# Allegro board SDHCalFEB.brd (continued)
## Routing (per net, layer and track width the routed paths; a pad name or vN(x,y) marks a point on that pad's centre or on a via; arc(x,y) is an arc through that point) (continued)
296.85,342.09 ; v2(296.42,342.09) 296.42,341.65 ; J45.3 260.73,254.93 ; J45.3 259.6,253.8 ; J45.3 258.47,254.93 ; J45.3 259.6,256.06 ; v2(332.33,200.56) 332.33,200.99 ; v2(332.33,200.56) 332.77,200.56 ; v2(332.33,200.56) 332.33,200.13 ; v2(332.33,200.56) 331.9,200.56 ; v2(262.69,29.18) 262.69,29.62 ; v2(262.69,29.18) 262.69,28.75 ; v2(262.69,29.18) 262.25,29.18 ; v2(262.69,29.18) 263.12,29.18 ; 100.67,263.25 R1636.1 100.67,262.08 ; 97.94,21.39 v1(98.37,21.39) ; v1(98.37,21.39) 98.81,21.39 ; v1(98.37,21.39) 98.37,21.82 ; v1(98.37,21.39) 98.37,20.95 ; 27.18,100.1 v2(27.61,100.1) ; v2(27.61,100.1) 27.61,100.53 ; v2(27.61,100.1) 28.04,100.1 ; v2(27.61,100.1) 27.61,99.67 ; 77.87,119.19 R2043.1 ; 175.95,195.73 v2(175.95,196.16) ; v2(175.95,196.16) 175.95,196.6 ; v2(175.95,196.16) 176.38,196.16 ; v2(175.95,196.16) 175.51,196.16 ; 110.44,338.1 v2(110.44,338.53) ; v2(110.44,338.53) 110.44,338.96 ; v2(110.44,338.53) 110.87,338.53 ; v2(110.44,338.53) 110.01,338.53 ; J11.3 259.85,244.77 ; J11.3 257.59,244.77 ; J11.3 258.72,243.64 ; J11.3 258.72,245.9 ; 92.94,117.93 v2(93.37,117.93) ; v2(93.37,117.93) 93.8,117.93 ; v2(93.37,117.93) 93.37,117.5 ; v2(93.37,117.93) 93.37,118.36 ; 266.17,179.2 v2(266.6,179.2) ; v2(266.6,179.2) 266.6,179.63 ; v2(266.6,179.2) 266.6,178.76 ; v2(266.6,179.2) 267.03,179.2 ; J33.B13 v1(391.79,113.92) ; U404.1 105.91,253.85 ; 75.87,117.16 C1043.2 ; C1043.2 74.55,118.36 ; C1043.2 77.19,118.36 ; 273.53,182.73 v2(273.96,182.73) ; v2(273.96,182.73) 273.96,183.16 ; v2(273.96,182.73) 274.4,182.73 ; v2(273.96,182.73) 273.96,182.3 ; J15.3 99.88,244.87 ; J15.3 97.62,244.87 ; J15.3 98.75,243.74 ; J15.3 98.75,246 ; J62.5 105.31,260.06 ; J62.5 104.18,258.93 ; J62.5 103.05,260.06 ; J62.5 104.18,261.19 ; 173.71,173.3 R1934.1 173.71,172.14 ; v2(27.61,98.73) 27.61,99.16 ; v2(27.61,98.73) 27.61,98.3 ; v2(27.61,98.73) 27.18,98.73 ; v2(27.61,98.73) 28.04,98.73 ; 100.36,322.63 v2(100.36,322.2) 99.92,322.2 ; v2(339.37,243.08) 339.8,243.08 ; v2(339.37,243.08) 338.94,243.08 ; v2(339.37,243.08) 339.37,242.65 ; v2(339.37,243.08) 339.37,243.51 ; 87.46,279.46 J8.5 ; J8.5 88.59,278.33 ; J8.5 89.72,279.46 ; J8.5 88.59,280.59 ; v2(337.62,83.03) 337.62,83.46 ; v2(337.62,83.03) 337.62,82.6 ; v2(337.62,83.03) 337.18,83.03 ; v2(337.62,83.03) 338.05,83.03 ; v2(313.92,117.88) 314.35,117.88 ; v2(313.92,117.88) 313.49,117.88 ; v2(313.92,117.88) 313.92,117.45 ; v2(313.92,117.88) 313.92,118.31 ; v2(176.12,91.06) 176.56,91.06 ; v2(176.12,91.06) 176.12,91.49 ; v2(176.12,91.06) 175.69,91.06 ; v2(176.12,91.06) 176.12,90.63 ; v1(100.56,20.35) 100.56,20.78 ; v1(100.56,20.35) 100.13,20.35 ; v1(100.56,20.35) 100.56,19.91 ; v1(100.56,20.35) 100.99,20.35 ; J35.A36 v1(394.88,270.64) ; 99.49,331.72 v2(99.92,331.72) 99.92,331.29 ; v2(238.33,276.61) 238.33,277.04 ; v2(238.33,276.61) 238.76,276.61 ; v2(238.33,276.61) 238.33,276.17 ; v2(238.33,276.61) 237.9,276.61 ; 332.82,193.6 v2(333.25,193.6) ; v2(333.25,193.6) 333.25,193.17 ; v2(333.25,193.6) 333.25,194.03 ; v2(333.25,193.6) 333.68,193.6 ; J34.A40 v1(394.88,211.97) ; 110.13,180.64 v2(110.57,180.64) ; v2(110.57,180.64) 111,180.64 ; v2(110.57,180.64) 110.57,181.08 ; v2(110.57,180.64) 110.57,180.21 ; v2(102.44,29.13) 102.44,29.57 ; v2(102.44,29.13) 102.87,29.13 ; v2(102.44,29.13) 102.01,29.13 ; v2(102.44,29.13) 102.44,28.7 ; v2(331.32,280.31) 331.76,280.31 ; v2(331.32,280.31) 331.32,279.88 ; v2(331.32,280.31) 330.89,280.31 ; 174.5,330.96 v2(174.5,331.39) ; v2(174.5,331.39) 174.93,331.39 ; v2(174.5,331.39) 174.07,331.39 ; v2(174.5,331.39) 174.5,331.83 ; 178.8,329.5 J5.2 ; J5.2 179.93,330.63 ; J5.2 179.93,328.37 ; J5.2 181.06,329.5 ; U65.101 v2(313.41,298.17) ; v2(257.12,180.77) 257.12,181.2 ; v2(257.12,180.77) 257.56,180.77 ; v2(257.12,180.77) 256.69,180.77 ; v2(257.12,180.77) 257.12,180.34 ; v2(28.57,37.9) 29.01,37.9 ; v2(28.57,37.9) 28.57,38.33 ; v2(28.57,37.9) 28.14,37.9 ; v2(28.57,37.9) 28.57,37.46 ; 110.72,337.59 v2(111.15,337.59) ; v2(111.15,337.59) 111.15,338.02 ; v2(111.15,337.59) 111.58,337.59 ; v2(111.15,337.59) 111.15,337.16 ; 42.55,339.8 v2(42.55,340.23) ; v2(42.55,340.23) 42.11,340.23 ; v2(42.55,340.23) 42.98,340.23 ; v2(42.55,340.23) 42.55,340.67 ; J30.2 175.94,39.4 ; J30.2 177.07,38.27 ; J30.2 175.94,37.13 ; J30.2 174.81,38.27 ; 26.21,340.28 v2(26.21,340.72) ; v2(26.21,340.72) 26.65,340.72 ; v2(26.21,340.72) 25.78,340.72 ; v2(26.21,340.72) 26.21,341.15 ; C1452.2 161.37,351.61 ; C1452.2 162.56,350.29 ; C1452.2 161.37,348.97 ; 337.44,262.15 v2(337.44,262.59) ; v2(337.44,262.59) 337.44,263.02 ; v2(337.44,262.59) 337.87,262.59 ; v2(337.44,262.59) 337.01,262.59 ; 112.89,258.44 v2(112.89,258.88) ; v2(112.89,258.88) 113.32,258.88 ; v2(112.89,258.88) 112.46,258.88 ; J65.3 108.65,176.35 ; J65.3 107.52,175.22 ; J65.3 108.65,174.09 ; J65.3 109.78,175.22 ; C1420.2 361.87,139.7 ; C1420.2 363.07,138.38 ; C1420.2 361.87,137.06 ; 95.81,263.7 C259.2 ; C259.2 98.45,263.7 ; C259.2 97.13,262.51 ; J35.A18 v1(394.88,247.78) ; J34.A1 v1(394.88,162.44) ; v2(90.86,192.28) 91.29,192.28 ; v2(90.86,192.28) 90.42,192.28 ; v2(90.86,192.28) 90.86,191.85 ; v2(90.86,192.28) 90.86,192.71 ; 187.83,93.14 v2(187.83,93.57) ; v2(187.83,93.57) 188.27,93.57 ; v2(187.83,93.57) 187.83,94.01 ; v2(187.83,93.57) 187.4,93.57 ; v2(171.93,280.7) 171.93,281.13 ; v2(171.93,280.7) 171.93,280.26 ; v2(171.93,280.7) 172.36,280.7 ; v2(171.93,280.7) 171.5,280.7 ; U1050.24 v1(351.57,204.33) ; 185.44,174.02 v2(185.87,174.02) ; v2(185.87,174.02) 186.3,174.02 ; v2(185.87,174.02) 185.87,174.45 ; J34.A22 v1(394.88,189.11) ; v2(365.25,210.31) 365.25,210.74 ; v2(365.25,210.31) 365.25,209.88 ; v2(365.25,210.31) 364.82,210.31 ; v2(365.25,210.31) 365.68,210.31 ; J34.A28 v1(394.88,196.73) ; 256.44,169.29 v2(256.44,169.72) ; v2(256.44,169.72) 256.87,169.72 ; v2(256.44,169.72) 256.01,169.72 ; v2(256.44,169.72) 256.44,170.16 ; J35.A26 v1(394.88,257.94) ; 253.11,193.85 v2(253.11,194.28) ; v2(253.11,194.28) 253.54,194.28 ; v2(253.11,194.28) 253.11,194.72 ; v2(253.11,194.28) 252.68,194.28 ; 366.65,213.82 v2(366.65,214.25) ; v2(366.65,214.25) 367.08,214.25 ; v2(366.65,214.25) 366.22,214.25 ; v2(366.65,214.25) 366.65,214.68 ; J33.A20 v1(394.88,122.81) ; v2(35.31,168.38) 35.74,168.38 ; v2(35.31,168.38) 35.31,167.94 ; v2(35.31,168.38) 34.87,168.38 ; v2(35.31,168.38) 35.31,168.81 ; J20.4 250.57,114.76 ; J20.4 249.44,113.63 ; J20.4 251.7,113.63 ; J20.4 250.57,112.5 ; 169.93,200.81 v2(170.36,200.81) ; v2(170.36,200.81) 170.36,201.24 ; v2(170.36,200.81) 170.79,200.81 ; v2(170.36,200.81) 170.36,200.38 ; v2(27.91,86.79) 27.91,87.22 ; v2(27.91,86.79) 28.35,86.79 ; v2(27.91,86.79) 27.48,86.79 ; v2(27.91,86.79) 27.91,86.36 ; 168.33,199.29 v2(168.33,198.86) 168.77,198.86 ; v2(93.17,33.12) 93.6,33.12 ; v2(93.17,33.12) 92.73,33.12 ; v2(93.17,33.12) 93.17,33.55 ; v2(93.17,33.12) 93.17,32.69 ; J23.3 99.91,164.73 ; J23.3 98.78,165.86 ; J23.3 98.78,163.6 ; J23.3 97.65,164.73 ; 229.3,118.5 v2(228.86,118.5) 228.86,118.07 ; 172.77,119.61 v2(173.2,119.61) ; v2(173.2,119.61) 173.2,119.18 ; v2(173.2,119.61) 173.2,120.04 ; v2(173.2,119.61) 173.63,119.61 ; 332.99,88.67 R1070.2 332.4,88.11 ; 253.2,261.62 R1605.1 253.2,262.78 ; J49.2 261.32,180.05 ; J49.2 260.18,178.92 ; J49.2 259.05,180.05 ; J49.2 260.18,181.18 ; v2(339.22,83.01) 339.65,83.01 ; v2(339.22,83.01) 338.78,83.01 ; v2(339.22,83.01) 339.22,83.44 ; v2(339.22,83.01) 339.22,82.57 ; J31.2 98.78,90.63 ; J31.2 97.65,89.5 ; J31.2 98.78,88.37 ; J31.2 99.91,89.5 ; J33.B37 v1(391.79,144.4) ; 253.43,96.7 C1128.2 ; C1128.2 252.24,98.02 ; C1128.2 253.43,99.34 ; v1(63.98,359.33) 63.98,359.77 ; v1(63.98,359.33) 63.55,359.33 ; v1(63.98,359.33) 64.41,359.33 ; v1(63.98,359.33) 63.98,358.9 ; R155.1 249.15,276.76 ; J34.A32 v1(394.88,201.81) ; 175.59,183.59 C520.2 ; C520.2 176.91,182.39 ; C520.2 178.23,183.59 ; v1(61.44,359.33) 61.44,359.77 ; v1(61.44,359.33) 61.87,359.33 ; v1(61.44,359.33) 61.44,358.9 ; v1(61.44,359.33) 61.01,359.33 ; J22.3 175.03,115.57 ; J22.3 173.9,114.44 ; J22.3 175.03,113.31 ; J22.3 176.16,114.44 ; v2(25.86,337.95) 25.86,338.38 ; v2(25.86,337.95) 25.86,337.51 ; v2(25.86,337.95) 25.42,337.95 ; v2(25.86,337.95) 26.29,337.95 ; J33.B31 v1(391.79,136.78) ; 260.68,331.16 R1438.1 ; 95.81,34.98 v2(95.81,35.41) ; v2(95.81,35.41) 95.38,35.41 ; v2(95.81,35.41) 95.81,35.84 ; v2(95.81,35.41) 96.24,35.41 ; 34.65,90.88 v2(34.65,91.31) ; v2(34.65,91.31) 35.08,91.31 ; v2(34.65,91.31) 34.65,91.75 ; v2(34.65,91.31) 34.21,91.31 ; J34.B29 v1(391.79,198) ; v2(333.45,41.17) 333.88,41.17 ; v2(333.45,41.17) 333.45,40.74 ; v2(333.45,41.17) 333.45,41.61 ; v2(333.45,41.17) 333.02,41.17 ; 183.73,25.68 J53.5 ; J53.5 183.73,27.94 ; J53.5 182.6,26.81 ; J53.5 184.86,26.81 ; 186.74,260.27 v2(186.74,260.71) ; v2(186.74,260.71) 186.31,260.71 ; v2(186.74,260.71) 187.17,260.71 ; v2(186.74,260.71) 186.74,261.14 ; 248.57,197.36 R488.1 249.16,197.92 ; v2(172.06,96.39) 172.06,96.83 ; v2(172.06,96.39) 172.06,95.96 ; v2(172.06,96.39) 172.49,96.39 ; v2(172.06,96.39) 171.63,96.39 ; 237.13,118.64 R2081.1 ; 259.49,261.59 v2(259.92,261.59) ; v2(259.92,261.59) 259.92,262.03 ; v2(259.92,261.59) 259.92,261.16 ; v2(259.92,261.59) 260.35,261.59 ; J35.A30 v1(394.88,263.02) ; 340.45,258.83 J59.2 ; J59.2 340.45,261.09 ; J59.2 339.32,259.96 ; 96.65,118.56 v2(97.08,118.56) ; v2(97.08,118.56) 97.08,118.12 ; v2(97.08,118.56) 97.08,118.99 ; J9.4 335.48,245.9 ; J9.4 335.48,243.64 ; J9.4 336.61,244.77 ; J9.4 334.35,244.77 ; 187.24,166.47 v2(186.81,166.47) 186.81,166.9 ; 175.51,170.03 v2(175.95,170.03) ; v2(175.95,170.03) 176.38,170.03 ; v2(175.95,170.03) 175.95,170.46 ; v2(175.95,170.03) 175.95,169.6 ; v2(262.47,93.07) 262.47,93.5 ; J33.B15 v1(391.79,116.46) ; J33.B29 v1(391.79,134.24) ; 97.1,182.3 C607.2 ; C607.2 95.78,183.49 ; C607.2 98.42,183.49 ; 99.59,34.62 v2(100.03,34.62) ; v2(100.03,34.62) 100.46,34.62 ; v2(100.03,34.62) 100.03,35.05 ; v2(100.03,34.62) 100.03,34.19 ; v2(98.25,100.15) 98.68,100.15 ; v2(98.25,100.15) 98.25,100.58 ; v2(98.25,100.15) 98.25,99.72 ; v2(98.25,100.15) 97.81,100.15 ; J35.B35 v1(391.79,269.37) ; v1(260.2,27.48) 260.63,27.48 ; v1(260.2,27.48) 260.2,27.05 ; v1(260.2,27.48) 259.77,27.48 ; v1(260.2,27.48) 260.2,27.92 ; 256.34,164.31 v2(256.34,164.74) ; v2(256.34,164.74) 255.9,164.74 ; v2(256.34,164.74) 256.77,164.74 ; v2(256.34,164.74) 256.34,165.18 ; C1432.2 355.3,207.15 ; J37.2 227.95,340.21 ; J37.2 229.08,339.08 ; J37.2 227.95,337.95 ; J37.2 226.82,339.08 ; 99.58,178.66 J51.2 ; J51.2 98.45,179.8 ; J51.2 99.58,180.93 ; J51.2 100.71,179.8 ; 180.67,183.34 R1900.1 180.67,182.17 ; J34.A6 v1(394.88,168.79) ; R570.2 171.54,248.64 ; C695.2 76.89,199.03 ; C695.2 74.24,199.03 ; C695.2 75.56,197.83 ; v2(336.83,243.08) 337.26,243.08 ; v2(336.83,243.08) 336.83,242.65 ; v2(336.83,243.08) 336.4,243.08 ; v2(336.83,243.08) 336.83,243.51 ; 180.42,162.64 v2(180.42,162.2) 179.98,162.2 ; 256.97,113.07 v2(257.4,113.07) ; v2(257.4,113.07) 257.4,113.5 ; v2(257.4,113.07) 257.4,112.64 ; J34.A9 v1(394.88,172.6) ; 327.85,197.41 R405.1 328.43,197.97 ; U1051.24 v1(351.57,195.74) ; v1(178.69,24.38) 179.12,24.38 ; v1(178.69,24.38) 178.69,23.95 ; v1(178.69,24.38) 178.69,24.82 ; v1(178.69,24.38) 178.26,24.38 ; 229.84,118.07 v2(229.84,118.5) ; v2(229.84,118.5) 230.27,118.5 ; v2(229.84,118.5) 229.4,118.5 ; 252.01,88.47 R1153.2 251.43,87.91 ; 181.38,176.07 v2(181.81,176.07) ; v2(181.81,176.07) 181.81,175.64 ; v2(181.81,176.07) 182.25,176.07 ; v2(181.81,176.07) 181.81,176.51 ; 97.41,198.67 U432.2 ; v2(257.38,165.81) 257.81,165.81 ; v2(257.38,165.81) 257.38,165.38 ; v2(257.38,165.81) 256.95,165.81 ; v2(257.38,165.81) 257.38,166.24 ; 83.41,22.58 C1447.2 ; C1447.2 84.73,21.39 ; C1447.2 86.06,22.58 ; v2(341.43,89.53) 341.43,89.97 ; v2(341.43,89.53) 341.43,89.1 ; v2(341.43,89.53) 340.99,89.53 ; v2(341.43,89.53) 341.86,89.53 ; 178.23,322.58 v2(178.23,323.01) ; v2(178.23,323.01) 178.66,323.01 ; v2(178.23,323.01) 178.23,323.44 ; v2(178.23,323.01) 177.8,323.01 ; v2(98.09,181.43) 98.09,181.86 ; v2(98.09,181.43) 98.09,181 ; v2(98.09,181.43) 98.53,181.43 ; v2(98.09,181.43) 97.66,181.43 ; v1(106.05,19.2) 106.48,19.2 ; v1(106.05,19.2) 106.05,19.63 ; v1(106.05,19.2) 105.61,19.2 ; v1(106.05,19.2) 106.05,18.77 ; 268.96,98.17 v2(268.96,98.6) ; v2(268.96,98.6) 268.53,98.6 ; v2(268.96,98.6) 269.39,98.6 ; 339.04,87.4 v2(339.04,87.83) ; v2(339.04,87.83) 338.61,87.83 ; v2(339.04,87.83) 339.47,87.83 ; v2(339.04,87.83) 339.04,88.27 ; 355.11,118.76 v1(354.21,119.66) ; J13.5 173.99,250.62 ; J13.5 175.12,249.49 ; J13.5 173.99,248.36 ; J13.5 172.86,249.49 ; 158.52,278.63 R1555.1 ; 334.85,269.52 v2(335.28,269.52) ; v2(335.28,269.52) 335.71,269.52 ; v2(335.28,269.52) 335.28,269.95 ; v2(335.28,269.52) 335.28,269.09 ; J33.A24 v1(394.88,127.89) ; 203.58,351.03 v1(203.58,351.46) ; v1(203.58,351.46) 203.15,351.46 ; v1(203.58,351.46) 204.01,351.46 ; v1(203.58,351.46) 203.58,351.89 ; 27.43,185.62 v2(27.86,185.62) ; v2(27.86,185.62) 27.86,186.06 ; v2(27.86,185.62) 27.86,185.19 ; v2(27.86,185.62) 28.3,185.62 ; v2(309.17,346.51) 309.6,346.51 ; v2(309.17,346.51) 309.17,346.94 ; v2(309.17,346.51) 309.17,346.07 ; v2(309.17,346.51) 308.74,346.51 ; J33.A18 v1(394.88,120.27) ; 97.76,192.99 v2(98.2,192.99) ; C1461.2 377.6,109.39 ; 262.35,31.9 C1129.2 ; C1129.2 263.54,33.22 ; C1129.2 263.54,30.58 ; v2(75.06,116.33) 75.06,116.76 ; v2(75.06,116.33) 75.49,116.33 ; v2(75.06,116.33) 74.62,116.33 ; v2(75.06,116.33) 75.06,115.9 ; 111.18,179.83 U442.1 ; 79.42,199.17 R1780.1 78.25,199.17 ; v2(291.39,346.51) 291.39,346.94 ; v2(291.39,346.51) 290.96,346.51 ; v2(291.39,346.51) 291.82,346.51 ; v2(291.39,346.51) 291.39,346.07 ; 271.18,99.85 U572.1 ; v2(177.72,181.66) 177.72,182.09 ; v2(177.72,181.66) 177.72,181.23 ; v2(177.72,181.66) 178.16,181.66 ; v2(177.72,181.66) 177.29,181.66 ; 19.91,26.43 J68.5 ; J68.5 21.04,25.3 ; J68.5 22.17,26.43 ; J68.5 21.04,27.56 ; 338.99,316 v2(338.56,316) 338.12,316 ; v2(331.33,120.37) 331.76,120.37 ; v2(30.15,261.77) 30.15,262.2 ; v2(30.15,261.77) 30.15,261.34 ; v2(30.15,261.77) 30.58,261.77 ; v2(30.15,261.77) 29.72,261.77 ; J33.A28 v1(394.88,132.97) ; v2(339.01,162.53) 339.45,162.53 ; v2(339.01,162.53) 339.01,162.1 ; v2(339.01,162.53) 339.01,162.97 ; v2(339.01,162.53) 338.58,162.53 ; J30.3 175.94,34.65 ; J30.3 175.94,32.38 ; J30.3 177.07,33.52 ; J30.3 174.81,33.52 ; 37.39,254.46 v2(37.39,254.89) ; v2(37.39,254.89) 37.82,254.89 ; v2(37.39,254.89) 37.39,255.32 ; v2(37.39,254.89) 36.96,254.89 ; 263.99,94.21 J67.4 ; J67.4 265.13,95.34 ; J67.4 263.99,96.47 ; J67.4 262.86,95.34 ; J62.2 110.06,260.06 ; J62.2 108.93,261.19 ; J62.2 107.8,260.06 ; J62.2 108.93,258.93 ; 179.62,173.99 J50.3 ; J50.3 179.62,176.25 ; J50.3 178.49,175.12 ; J50.3 180.75,175.12 ; 267.25,166.47 v2(266.82,166.47) 266.82,166.9 ; 323.9,19.96 v1(323.9,20.4) ; v1(323.9,20.4) 323.9,20.83 ; v1(323.9,20.4) 323.47,20.4 ; v1(323.9,20.4) 324.33,20.4 ; 92.9,89.5 J31.5 ; J31.5 94.03,90.63 ; J31.5 95.16,89.5 ; J31.5 94.03,88.37 ; 167.72,114.53 v2(168.15,114.53) ; v2(168.15,114.53) 168.15,114.96 ; v2(168.15,114.53) 168.15,114.1 ; v2(168.15,114.53) 168.58,114.53 ; R1632.1 261.25,262.69 ; R1632.1 260.69,263.28 ; R1632.1 260.69,262.11 ; 335.7,258.83 J59.5 ; J59.5 336.83,259.96 ; J59.5 334.57,259.96 ; J59.5 335.7,261.09 ; 97.06,112.2 v2(97.49,112.2) ; v1(100.56,21.82) 100.56,22.25 ; v1(100.56,21.82) 100.13,21.82 ; v1(100.56,21.82) 100.56,21.39 ; v1(100.56,21.82) 100.99,21.82 ; 260.65,82.78 R2236.1 ; 256.13,90.58 v2(256.13,91.01) ; v2(256.13,91.01) 256.57,91.01 ; v2(256.13,91.01) 255.7,91.01 ; v2(256.13,91.01) 256.13,91.44 ; 168.92,198.09 R571.1 168.33,197.54 ; v2(39.12,343.69) 39.55,343.69 ; v2(39.12,343.69) 39.12,344.12 ; v2(39.12,343.69) 39.12,343.26 ; v2(39.12,343.69) 38.68,343.69 ; 188.62,325.02 C172.2 ; C172.2 189.81,326.34 ; C172.2 189.81,323.7 ; 267.18,180.31 v2(267.61,180.31) ; v2(267.61,180.31) 267.61,179.88 ; v2(267.61,180.31) 268.05,180.31 ; v2(267.61,180.31) 267.61,180.75 ; v2(254.05,272.47) 254.05,272.9 ; v2(254.05,272.47) 254.05,272.03 ; v2(254.05,272.47) 253.62,272.47 ; v2(254.05,272.47) 254.48,272.47 ; v2(355.16,188.85) 355.59,188.85 ; v3(261.11,322.2) 261.11,322.78 ; U1050.5 v1(348.34,201.73) ; v2(247.09,34.54) 247.09,34.98 ; v2(247.09,34.54) 246.66,34.54 ; v2(247.09,34.54) 247.09,34.11 ; v2(247.09,34.54) 247.52,34.54 ; J33.B27 v1(391.79,131.7) ; 169.02,278.08 v2(168.58,278.08) 168.58,278.51 ; v2(182.37,255.73) 182.8,255.73 ; v2(182.37,255.73) 181.94,255.73 ; v2(182.37,255.73) 182.37,255.29 ; v2(182.37,255.73) 182.37,256.16 ; v2(170.96,249.4) 171.39,249.4 ; J34.B31 v1(391.79,200.54) ; R404.2 333.6,248.67 ; 338.46,310.32 v2(338.03,310.32) 338.03,310.75 ; v1(86.87,22.23) 87.3,22.23 ; v1(86.87,22.23) 86.87,21.79 ; v1(86.87,22.23) 86.87,22.66 ; v1(86.87,22.23) 86.44,22.23 ; 367.03,107.92 v2(367.03,108.36) ; v2(367.03,108.36) 366.6,108.36 ; v2(367.03,108.36) 367.03,108.79 ; v2(367.03,108.36) 367.46,108.36 ; v2(97.84,241.93) 97.84,242.36 ; J34.B35 v1(391.79,205.62) ; 237.67,277.44 v2(237.67,277.88) ; v2(237.67,277.88) 237.67,278.31 ; v2(237.67,277.88) 237.24,277.88 ; v2(237.67,277.88) 238.1,277.88 ; 229.44,118.71 C855.1 ; v2(95.38,291.01) 95.38,291.44 ; v2(95.38,291.01) 94.94,291.01 ; v2(95.38,291.01) 95.81,291.01 ; v2(95.38,291.01) 95.38,290.58 ; 312.55,350.44 v2(312.55,350.88) ; v2(312.55,350.88) 312.98,350.88 ; v2(312.55,350.88) 312.55,351.31 ; v2(312.55,350.88) 312.11,350.88 ; 335.84,116.2 v2(336.27,116.2) ; v2(336.27,116.2) 336.27,115.77 ; v2(336.27,116.2) 336.27,116.64 ; v2(336.27,116.2) 336.7,116.2 ; U1065.3 v1(355.68,216.84) ; U1081.11 v1(349.54,116.26) ; 183.01,20.09 v1(183.44,20.09) ; v1(183.44,20.09) 183.44,19.66 ; v1(183.44,20.09) 183.44,20.52 ; v1(183.44,20.09) 183.87,20.09 ; v2(98.58,166.73) 99.01,166.73 ; v2(98.58,166.73) 98.58,167.16 ; v2(98.58,166.73) 98.15,166.73 ; v2(98.58,166.73) 98.58,166.29 ; v2(334.49,172.69) 334.92,172.69 ; v2(334.49,172.69) 334.49,173.13 ; v2(334.49,172.69) 334.49,172.26 ; J33.A32 v1(394.88,138.05) ; v2(334.75,37.31) 334.75,37.74 ; v2(334.75,37.31) 334.31,37.31 ; v2(334.75,37.31) 334.75,36.88 ; v2(334.75,37.31) 335.18,37.31 ; J33.A26 v1(394.88,130.43) ; 260.69,251.13 R1697.1 ; R1697.1 261.25,251.72 ; R1697.1 260.69,252.3 ; 169.02,38.18 v2(168.59,38.18) 168.59,38.61 ; J33.A34 v1(394.88,140.59) ; v1(355.03,203.71) 355.03,204.14 ; v1(355.03,203.71) 354.6,203.71 ; v1(355.03,203.71) 355.46,203.71 ; 242.1,198.6 v2(242.53,198.6) 242.53,198.17 ; R1699.1 253.19,242.82 ; R1682.1 261.15,242.78 ; 256.03,192.89 J12.3 ; J12.3 254.9,194.02 ; J12.3 256.03,195.15 ; J12.3 257.16,194.02 ; v2(254.25,183.64) 254.25,184.07 ; v2(254.25,183.64) 254.69,183.64 ; v2(254.25,183.64) 253.82,183.64 ; v2(254.25,183.64) 254.25,183.21 ; J35.B37 v1(391.79,271.91) ; J35.A16 v1(394.88,245.24) ; v2(32.64,329.13) 33.07,329.13 ; v2(32.64,329.13) 32.21,329.13 ; v2(32.64,329.13) 32.64,329.57 ; v2(32.64,329.13) 32.64,328.7 ; 104.44,257.91 v2(104.44,258.34) ; v2(104.44,258.34) 104.01,258.34 ; v2(104.44,258.34) 104.44,258.78 ; v2(104.44,258.34) 104.88,258.34 ; 229.31,116.89 v2(229.31,117.32) ; v2(229.31,117.32) 229.31,117.75 ; v2(229.31,117.32) 228.88,117.32 ; v2(229.31,117.32) 229.74,117.32 ; J35.B39 v1(391.79,274.45) ; 45.06,343.18 v2(45.06,343.61) ; v2(45.06,343.61) 45.49,343.61 ; v2(45.06,343.61) 45.06,344.04 ; v2(45.06,343.61) 44.63,343.61 ; 336.58,256.49 v2(336.58,256.92) 336.14,256.92 ; 62.15,259.93 v2(61.72,259.93) 61.72,259.5 ; U1050.8 v1(345.97,199.77) ; v2(264.58,174.04) 264.58,174.47 ; v2(264.58,174.04) 264.15,174.04 ; v2(264.58,174.04) 265.01,174.04 ; 179.48,171.7 v2(179.91,171.7) ; v2(179.91,171.7) 179.91,171.27 ; v2(179.91,171.7) 179.91,172.14 ; v2(172.43,89.13) 172.86,89.13 ; v2(111.38,333.71) 111.38,334.14 ; 114.14,255.55 C606.2 ; C606.2 114.14,258.19 ; C606.2 112.94,256.87 ; 238.4,198.61 R1818.1 ; J34.B33 v1(391.79,203.08) ; 29.18,87.63 v2(29.18,88.06) ; v2(29.18,88.06) 29.62,88.06 ; v2(29.18,88.06) 28.75,88.06 ; v2(29.18,88.06) 29.18,88.49 ; J34.A14 v1(394.88,178.95) ; J34.B11 v1(391.79,175.14) ; 174.55,352.2 C1453.2 ; C1453.2 174.55,354.84 ; C1453.2 173.35,353.52 ; J33.A8 v1(394.88,107.57) ; 229.36,349.1 v1(229.36,349.53) ; v1(229.36,349.53) 229.79,349.53 ; v1(229.36,349.53) 228.93,349.53 ; v1(229.36,349.53) 229.36,349.96 ; 318.08,199.19 R1813.1 319.25,199.19 ; 97.99,254.97 v2(98.42,254.97) ; v2(98.42,254.97) 98.86,254.97 ; v2(98.42,254.97) 98.42,255.4 ; v2(98.42,254.97) 98.42,254.53 ; v2(328.55,113.72) 328.55,114.15 ; v2(328.55,113.72) 328.98,113.72 ; v2(328.55,113.72) 328.55,113.28 ; v2(328.55,113.72) 328.12,113.72 ; R1320.1 88.27,37.41 ; v2(95.78,253.14) 95.78,253.57 ; v2(95.78,253.14) 95.78,252.7 ; v2(95.78,253.14) 95.35,253.14 ; v2(95.78,253.14) 96.22,253.14 ; 176.38,117.16 v2(176.81,117.16) ; 253.85,250.93 v2(253.85,251.36) ; v2(253.85,251.36) 254.28,251.36 ; v2(253.85,251.36) 253.42,251.36 ; v2(253.85,251.36) 253.85,251.79 ; 177.6,90.6 v2(177.6,91.03) ; v2(177.6,91.03) 178.03,91.03 ; v2(177.6,91.03) 177.6,91.47 ; v2(177.6,91.03) 177.16,91.03 ; 332.83,89.43 v2(332.4,89.43) 332.4,89.87 ; U404.2 104.61,253.85 ; J33.B35 v1(391.79,141.86) ; 101.07,256.51 v2(101.07,256.95) ; v2(101.07,256.95) 101.07,257.38 ; v2(101.07,256.95) 101.5,256.95 ; v2(101.07,256.95) 100.63,256.95 ; 106.73,180.21 v2(106.73,180.64) ; v2(106.73,180.64) 107.16,180.64 ; v2(106.73,180.64) 106.3,180.64 ; v2(106.73,180.64) 106.73,181.08 ; v2(176.73,244.32) 177.17,244.32 ; v2(176.73,244.32) 176.3,244.32 ; v2(176.73,244.32) 176.73,244.75 ; v2(176.73,244.32) 176.73,243.89 ; R1819.1 159.08,199.16 ; 230.43,118.71 C857.1 ; 179.3,263.22 v2(179.3,263.65) ; v2(179.3,263.65) 178.87,263.65 ; v2(179.3,263.65) 179.3,264.08 ; v2(179.3,263.65) 179.73,263.65 ; 157.75,119.19 R2082.1 ; U1080.11 v1(350,217.8) ; R1409.1 112.14,334.29 ; J35.B1 v1(391.79,226.19) ; 180.63,162.79 R1930.1 ; v2(89.36,272.8) 89.79,272.8 ; v2(89.36,272.8) 89.36,272.36 ; v2(89.36,272.8) 88.92,272.8 ; v2(89.36,272.8) 89.36,273.23 ; J35.A6 v1(394.88,232.54) ; U1079.11 v1(349.75,248.94) ; J33.B23 v1(391.79,126.62) ; R1956.1 173.74,162.26 ; 261.62,173.25 R1952.1 262.79,173.25 ; v2(28.85,100.03) 28.85,100.46 ; v2(28.85,100.03) 28.85,99.59 ; v2(28.85,100.03) 28.42,100.03 ; v2(28.85,100.03) 29.29,100.03 ; v2(341.5,87.71) 341.5,88.14 ; v2(341.5,87.71) 341.94,87.71 ; v2(341.5,87.71) 341.07,87.71 ; v2(341.5,87.71) 341.5,87.27 ; 184.55,93.83 U859.2 184.95,93.07 ; 225.33,349.22 C1404.2 ; C1404.2 226.53,350.55 ; C1404.2 225.33,351.87 ; U585.75 v2(308.52,123.51) ; 350.27,263.02 v1(350.27,263.45) ; v1(350.27,263.45) 350.27,263.88 ; v1(350.27,263.45) 349.83,263.45 ; v1(350.27,263.45) 350.7,263.45 ; J34.B27 v1(391.79,195.46) ; J33.B39 v1(391.79,146.94) ; U1052.8 v1(346.37,135.49) ; C866.2 229.26,118.71 ; J34.B4 v1(391.79,166.25) ; U602.1 187.22,165.51 ; 88.96,117.47 R987.1 88.38,116.92 ; v2(335.84,274.35) 336.27,274.35 ; v2(335.84,274.35) 335.84,273.91 ; v2(335.84,274.35) 335.84,274.78 ; v2(335.84,274.35) 335.41,274.35 ; 333.25,181.63 R1868.1 ; J34.A5 v1(394.88,167.52) ; 95.96,82.5 v2(95.96,82.93) ; v2(95.96,82.93) 95.96,83.36 ; v2(95.96,82.93) 96.39,82.93 ; v2(95.96,82.93) 95.53,82.93 ; J35.A20 v1(394.88,250.32) ; 176.38,118.46 v2(176.81,118.46) ; J35.B5 v1(391.79,231.27) ; J33.A16 v1(394.88,117.73) ; 173.74,332.13 R1402.1 ; v2(362.36,109.88) 362.36,110.31 ; v2(362.36,109.88) 361.92,109.88 ; v2(362.36,109.88) 362.36,109.45 ; v2(362.36,109.88) 362.79,109.88 ; R737.2 333.44,168.71 ; J35.A4 v1(394.88,230) ; 98.62,288.47 R1531.1 ; v2(96.52,196.01) 96.95,196.01 ; v2(96.52,196.01) 96.09,196.01 ; v2(96.52,196.01) 96.52,196.44 ; v2(96.52,196.01) 96.52,195.58 ; U1077.18 v1(381.46,288.01) ; 104.97,173.08 U664.2 104.56,173.84 ; 100.69,102.11 R2165.1 101.25,102.7 ; v2(105.86,334.01) 106.29,334.01 ; v2(105.86,334.01) 105.86,334.44 ; v2(105.86,334.01) 105.43,334.01 ; J33.A6 v1(394.88,105.03) ; R1423.1 101.12,322.78 ; J34.B39 v1(391.79,210.7) ; R1549.1 319.93,279.21 ; C1394.2 261.71,351.64 ; C1394.2 261.71,349 ; C1394.2 260.52,350.32 ; 185.44,93.07 U859.1 186.25,93.07 ; R1456.1 33.48,326.43 ; R1154.1 247.61,37.9 ; R1154.1 247.02,37.34 ; R1154.1 246.44,37.9 ; U599.1 186.28,173.05 ; J35.B23 v1(391.79,254.13) ; R2586.2 v1(350.51,120.34) ; J34.B7 v1(391.79,170.06) ; 105.08,103.09 v2(105.51,103.09) 105.51,102.66 ; J35.B11 v1(391.79,238.89) ; 186.94,181.76 v2(186.94,182.19) ; 179.49,91.7 v2(179.92,91.7) 179.92,91.27 ; v2(267.61,175.23) 268.05,175.23 ; v2(267.61,175.23) 267.61,174.8 ; v2(267.61,175.23) 267.18,175.23 ; v2(267.61,175.23) 267.61,175.67 ; J34.A25 v1(394.88,192.92) ; U794.1 264.38,93.83 ; J34.B15 v1(391.79,180.22) ; U1076.18 v1(380.11,105.46) ; J35.A2 v1(394.88,227.46) ; 251.43,89.66 v2(251.43,89.23) 251.86,89.23 ; J34.B21 v1(391.79,187.84) ; J35.B27 v1(391.79,259.21) ; U1040.81 v2(73.38,45.14) ; J35.B29 v1(391.79,261.75) ; J35.A40 v1(394.88,275.72) ; 189.99,322.2 v2(190.42,322.2) ; 304.93,350.44 v2(304.93,350.88) ; v2(304.93,350.88) 304.49,350.88 ; v2(304.93,350.88) 304.93,351.31 ; v2(304.93,350.88) 305.36,350.88 ; 280.12,173.3 R1947.1 ; J33.B21 v1(391.79,124.08) ; R1931.1 101.19,162.79 ; v1(381.46,282.91) U1077.8 ; J35.B31 v1(391.79,264.29) ; 329.6,120.37 v2(330.03,120.37) ; J35.B33 v1(391.79,266.83) ; U1052.5 v1(348.73,137.44) ; J34.A16 v1(394.88,181.49) ; 260.77,82.99 v2(261.2,82.99) ; U1050.6 v1(348.34,201.08) ; J35.A10 v1(394.88,237.62) ; v2(307.87,121.14) U585.74 ; 332.86,169.9 v2(332.86,169.47) 333.29,169.47 ; J33.B5 v1(391.79,103.76) ; R1651.1 174.27,253.36 ; J34.A10 v1(394.88,173.87) ; R1440.1 93.73,322.33 ; C1462.2 379.6,109.39 ; v2(97.34,161.66) 97.34,162.09 ; R1572.1 62.3,260.14 ; J34.A12 v1(394.88,176.41) ; J33.B11 v1(391.79,111.38)